# Altium PCB Microcontroller.PcbDoc (continued)
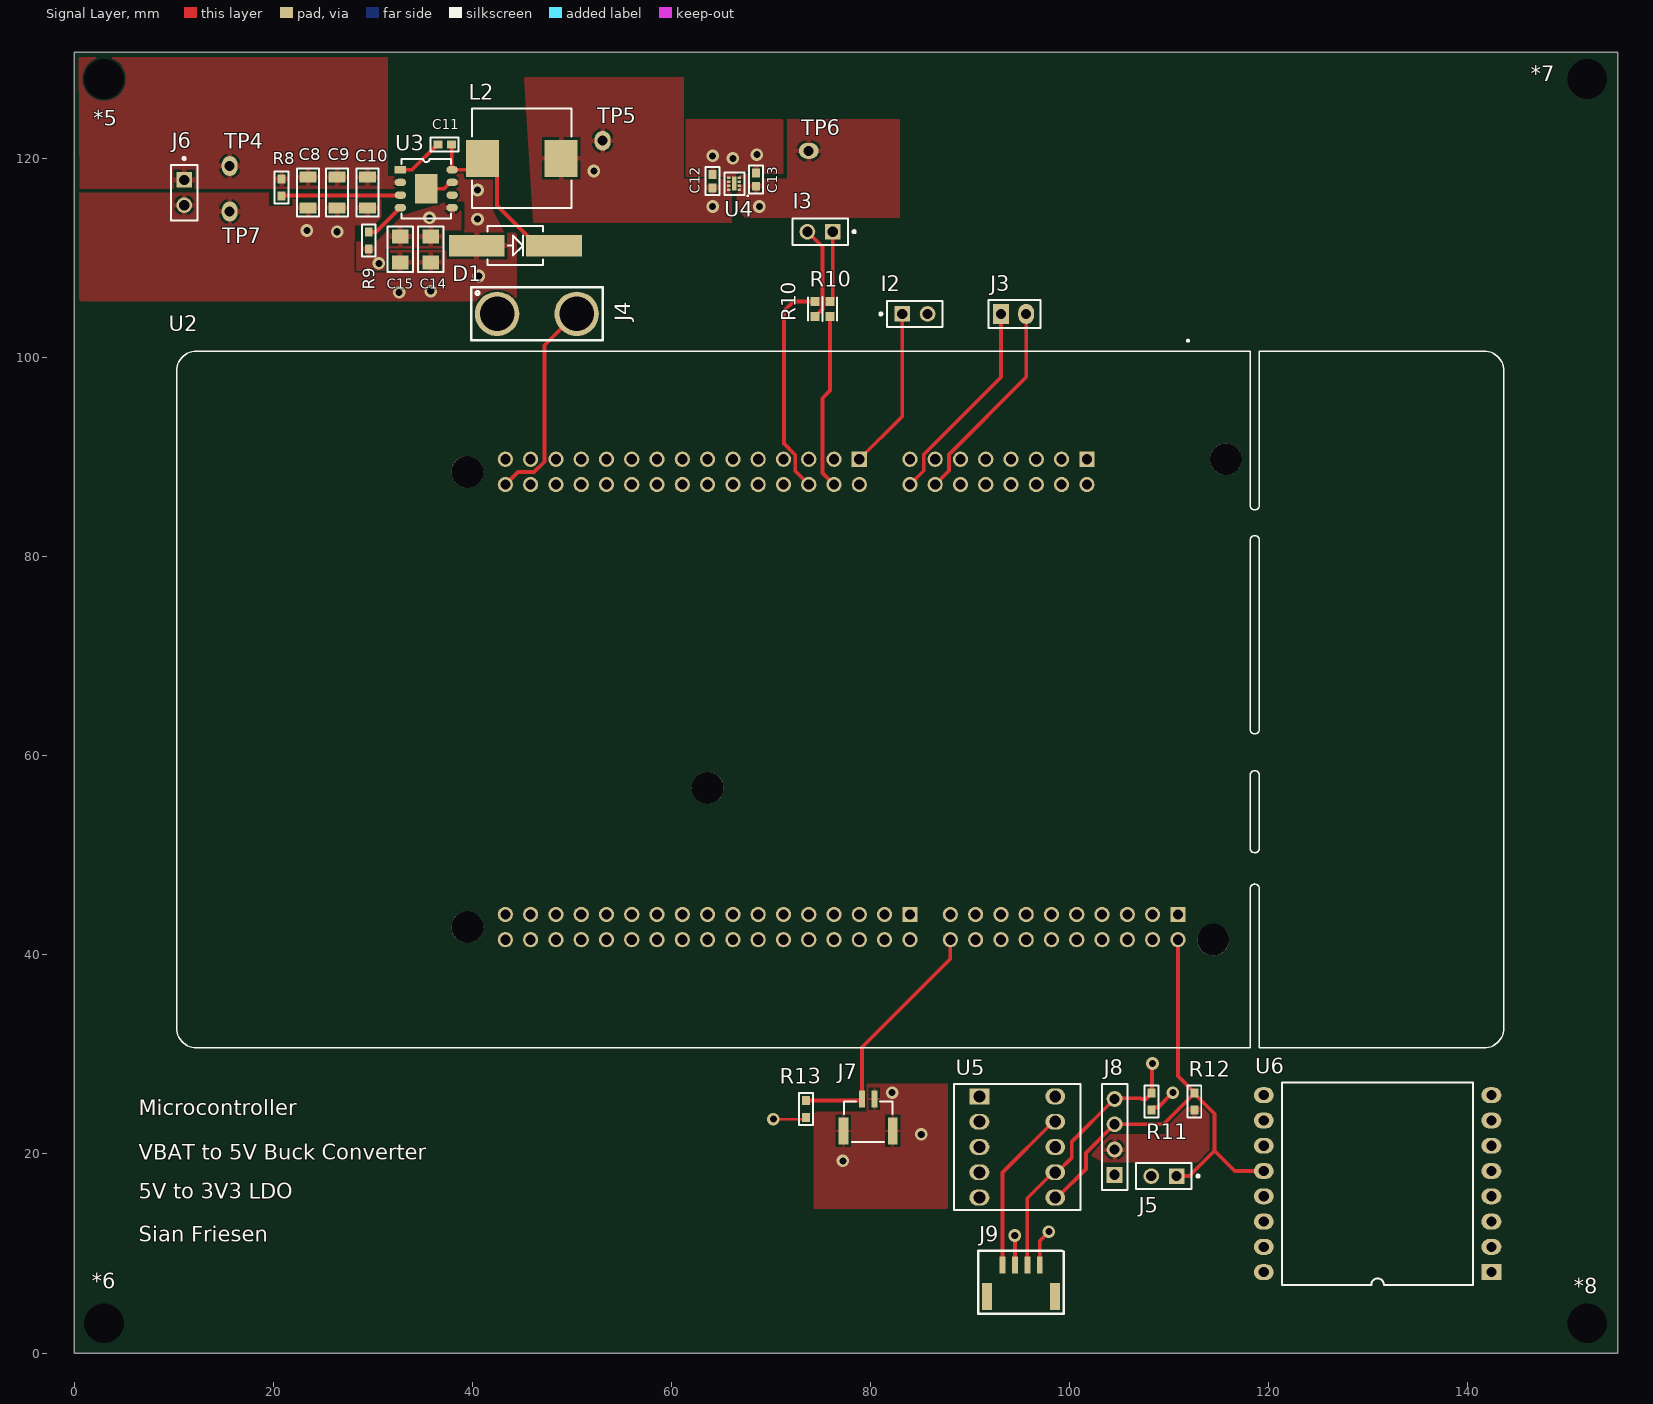
[diagram p0: Signal Layer view]
## Footprints (in the part's own frame and the unit in brackets; to place one, negate y for a bottom-side part, rotate by r counter-clockwise, add the part's x,y. Pads: shape width x height; smd on the part's side, far side on the other; paste and mask are expansions set on the pad)
"8-XFDFN EXPOSED PAD" [mm]
  oval 0.35x0.26 smd: 1(-0.525,0.6)
  rect 0.35x0.26 smd: 2(-0.525,0.2) 3(-0.525,-0.2) 4(-0.525,-0.6) 5(0.525,-0.6) 6(0.525,-0.2) 7(0.525,0.2) 8(0.525,0.6)
  rect 0.44x1.4 smd: 9(0,0)
  silkscreen extent -1.38,-1.1 0.97,1.23
"0603 Capacitor" [mm]
  rect 0.9x0.8 smd: 1(-0.675,0) 2(0.675,0)
  silkscreen extent -1.4,-0.7 1.4,0.7, body extent -0.8,-0.4 0.8,0.4, height 0.8
"0603 Resistor" [mm]
  rect 0.9x0.8 smd: 1(-0.85,0) 2(0.85,0)
  silkscreen extent -1.6,-0.7 1.6,0.7, body extent -0.8,-0.4 0.8,0.4, height 0.45
"0805 Capacitor" [mm]
  rect 1.4x1.65 smd: 1(-1.3,0) 2(1.3,0)
  silkscreen extent -2.29,-1.27 2.29,1.27
"1206 Capacitor" [mm]
  rect 1.1x1.7 smd: 1(-1.55,0) 2(1.55,0)
  silkscreen extent -2.4,-1.1 2.4,1.1, body extent -1.6,-0.8 1.6,0.8, height 1.6
"BAR30 DEPTH SENSOR" [mm] "Measurement Specialties MS5837-30BA"
  rect 0.6x1.7 smd: 1(1.875,4.55) 2(-1.875,4.55) 3(-0.625,4.55) 4(0.625,4.55)
  rect 1x2.7 smd: 45(-3.425,1.35) 46(3.425,1.35)
  silkscreen extent -4.33,-0.38 4.3,5.97
"CLF10060NIT-6R8N-D 10.10mm x 10.00mm" [mm]
  rect 3.3x3.7 smd: 1(-3.95,0) 2(3.95,0)
  silkscreen extent -5,-5 5,5
DO-214AA [mm]
  rect 5.59x2.18 smd: A(3.875,0) C(-3.874,0)
  silkscreen extent -2.8,-1.97 2.8,1.97
EV3419A [mm]
  rect 2x1.6 hole 1.2: 1(-3.81,5.08)
  oval 2x1.6 hole 1.2: 2(-3.81,2.54) 3(-3.81,0) 4(-3.81,-2.54) 5(-3.81,-5.08) 6(3.81,-5.08) 7(3.81,-2.54) 8(3.81,0) 9(3.81,2.54) 10(3.81,5.08)
  silkscreen extent -6.35,-6.35 6.35,6.35
FIT0588 [mm] "HIGH QUALITY GOLD PLATED XT90 MA Bullet Connector"
  round 4.46 hole 3.46: 1(0,4) 2(0,-4)
  silkscreen extent -2.67,-6.6 2.67,6.6
FP-M20-9990246-MFG [mm]
  rect 1.57x1.57 hole 1.02 paste-1000 mask+0: 1(-1.27,0)
  round 1.57 hole 1.02 paste-1000 mask+0: 2(1.27,0)
  silkscreen extent -3.55,-1.32 2.79,1.32, body extent -2.89,-1.42 2.89,1.42, height 0.25
"HDR 4POS 2.54mm" [mm]
  rect 1.6x1.6 hole 1.02: 1(0,3.81)
  round 1.6 hole 1.02: 2(0,1.27) 3(0,-1.27) 4(0,-3.81)
  silkscreen extent -1.27,-5.33 1.27,5.33
"Header 2.54mm" [mm]
  rect 2x1.6 hole 1: 1(0,1.27)
  oval 2x1.6 hole 1: 2(0,-1.27)
  silkscreen extent -1.4,-2.7 1.4,2.5, body extent -1.27,-2.54 1.27,2.54, height 8.54
MIKROE-3449 [mm]
  rect 2x1.6 hole 1.02: 1(0,0)
  oval 2x1.6 hole 1.02: 2(0,-2.54) 3(0,-5.08) 4(0,-7.62) 5(0,-10.16) 6(0,-12.7) 7(0,-15.24) 8(0,-17.78) 9(22.86,-17.78) 10(22.86,-15.24) 11(22.86,-12.7) 12(22.86,-10.16) 13(22.86,-7.62) 14(22.86,-5.08) 15(22.86,-2.54) 16(22.86,0)
  silkscreen extent 1.84,-19.05 21.02,1.27
MODULE_NUCLEO-F446ZE [mm]
  rect 1.53x1.53 hole 1.02: CN7_1(21.59,33.914) CN8_1(-24.13,24.77) CN9_1(-24.13,1.91) CN10_1(21.59,6.99)
  round 1.53 hole 1.02: CN7_2(24.13,33.914) CN7_3(21.59,31.374) CN7_4(24.13,31.374) CN7_5(21.59,28.834) CN7_6(24.13,28.834) CN7_7(21.59,26.294) CN7_8(24.13,26.294) CN7_9(21.59,23.754) CN7_10(24.13,23.754) CN7_11(21.59,21.214) CN7_12(24.13,21.214) CN7_13(21.59,18.674) CN7_14(24.13,18.674) CN7_15(21.59,16.134) CN7_16(24.13,16.134) CN7_17(21.59,13.594) CN7_18(24.13,13.594) CN7_19(21.59,11.054) CN7_20(24.13,11.054) CN8_2(-21.59,24.77) CN8_3(-24.13,22.23) CN8_4(-21.59,22.23) CN8_5(-24.13,19.69) CN8_6(-21.59,19.69) CN8_7(-24.13,17.15) CN8_8(-21.59,17.15) CN8_9(-24.13,14.61) CN8_10(-21.59,14.61) CN8_11(-24.13,12.07) CN8_12(-21.59,12.07) CN8_13(-24.13,9.53) CN8_14(-21.59,9.53) CN8_15(-24.13,6.99) CN8_16(-21.59,6.99) CN9_2(-21.59,1.91) CN9_3(-24.13,-0.63) CN9_4(-21.59,-0.63) CN9_5(-24.13,-3.17) CN9_6(-21.59,-3.17) CN9_7(-24.13,-5.71) CN9_8(-21.59,-5.71) CN9_9(-24.13,-8.25) CN9_10(-21.59,-8.25) CN9_11(-24.13,-10.79) CN9_12(-21.59,-10.79) CN9_13(-24.13,-13.33) CN9_14(-21.59,-13.33) CN9_15(-24.13,-15.87) CN9_16(-21.59,-15.87) CN9_17(-24.13,-18.41) CN9_18(-21.59,-18.41) CN9_19(-24.13,-20.95) CN9_20(-21.59,-20.95) CN9_21(-24.13,-23.49) CN9_22(-21.59,-23.49) CN9_23(-24.13,-26.03) CN9_24(-21.59,-26.03) CN9_25(-24.13,-28.57) CN9_26(-21.59,-28.57) CN9_27(-24.13,-31.11) CN9_28(-21.59,-31.11) CN9_29(-24.13,-33.65) CN9_30(-21.59,-33.65) CN10_2(24.13,6.99) CN10_3(21.59,4.45) CN10_4(24.13,4.45) CN10_5(21.59,1.91) CN10_6(24.13,1.91) CN10_7(21.59,-0.63) CN10_8(24.13,-0.63) CN10_9(21.59,-3.17) CN10_10(24.13,-3.17) CN10_11(21.59,-5.71) CN10_12(24.13,-5.71) CN10_13(21.59,-8.25) CN10_14(24.13,-8.25) CN10_15(21.59,-10.79) CN10_16(24.13,-10.79) CN10_17(21.59,-13.33) CN10_18(24.13,-13.33) CN10_19(21.59,-15.87) CN10_20(24.13,-15.87) CN10_21(21.59,-18.41) CN10_22(24.13,-18.41) CN10_23(21.59,-20.95) CN10_24(24.13,-20.95) CN10_25(21.59,-23.49) CN10_26(24.13,-23.49) CN10_27(21.59,-26.03) CN10_28(24.13,-26.03) CN10_29(21.59,-28.57) CN10_30(24.13,-28.57) CN10_31(21.59,-31.11) CN10_32(24.13,-31.11) CN10_33(21.59,-33.65) CN10_34(24.13,-33.65)
  round 3.2 hole 3.2 unplated: ""(-24.13,38.74) ""(-22.86,-37.46) ""(8.89,-13.33) ""(22.86,-37.46) ""(24.13,37.47)
  silkscreen extent -36.14,-66.67 35,66.67, body extent -35,-67.72 35,67.72, height 18.28
Mounting_Hole#1 [mil]
  round 60 hole 157.48 unplated: 1(-61.89,94.37)
Mounting_Hole#2 [mil]
  round 60 hole 157.48 unplated: 1(-46.89,-86.89)
Mounting_Hole#3 [mil]
  round 60 hole 157.48 unplated: 1(104.25,119.37)
Mounting_Hole#4 [mil]
  round 60 hole 157.48 unplated: 1(89.25,-66.89)
"Resistor Signal Switch-Footprint" [mm]
  rect 0.9x0.9 smd: 1(-0.75,0.75) 2(0.75,0.75) 3(-0.75,-0.75) 4(0.75,-0.75)
  silkscreen extent -1.2,-1.45 1.18,1.45
SM02B-GHS-TB [mm]
  rect 0.6x1.7 smd: 1(-0.625,0) 2(0.625,0)
  rect 1x2.7 smd: M1(-2.475,-3.2) M2(2.475,-3.2)
  silkscreen extent -2.42,-4.3 2.42,-0.25, body extent -2.88,-4.35 2.88,0.5, height 4.25
SOIC-8-EP [mm]
  rect 1.143x0.76 smd: 1(-2.602,1.905)
  oval 1.143x0.76 smd: 2(-2.602,0.635) 3(-2.602,-0.635) 4(-2.602,-1.905) 5(2.602,-1.905) 6(2.602,-0.635) 7(2.602,0.635) 8(2.602,1.905)
  rect 2.26x2.99 smd: 9(0,0)
  silkscreen extent -2.5,-3 2.5,3
TEST_POINT1 [mm]
  oval 2x1.6 hole 1: 1(0,0)

## Part data
C8 C9 C10: library part GRM31CR71E106MA12L, "CAP CER 10UF 25V X7R 1206", Case Code (Imperial)=1206, Case Code (Metric)=3216, Dielectric=X7R, Manufacturer=Murata, Max Operating Temperature=125°C, Min Operating Temperature=-55°C, Package Quantity=1, Supplier Part Number=490-6519-1-ND, Tolerance=20%, Voltage=25V, Case/Package=1206, Category="Ceramic Capacitors", ComponentLink1Description=https://datasheet.ciiva.com/11607/product-11607561.pdf?src-supplier=Avnet, ComponentLink1URL=https://datasheet.ciiva.com/11607/product-11607561.pdf?src-supplier=Avnet, ComponentLink2Description=https://datasheet.ciiva.com/5412/product-5412861.pdf?src-supplier=Mouser, ComponentLink2URL=https://datasheet.ciiva.com/5412/product-5412861.pdf?src-supplier=Mouser, ComponentLink3Description=https://datasheet.ciiva.com/6264/partnumbering-e-01-6264463.pdf?src-supplier=Digi-Key, ComponentLink3URL=https://datasheet.ciiva.com/6264/partnumbering-e-01-6264463.pdf?src-supplier=Digi-Key, Construction=Flat, Depth=1.6mm, Height=1.6mm, Lead Free="Lead Free", Length=3.2mm, Manufacturer Part Number=GRM31CR71E106MA12L, Material=4241ConductorMaterial, Mounting Technology="Surface Mount", Packaging="Tape and Reel", Pricing="1=0.29, 10=0.199, 50=0.1396, 100=0.1196, 500=0.08972, 1000=0.07576 (USD)", Radiation Hardening=No, Reach SVHC Compliant=No, RoHS=Yes, RoHS Compliant=Yes, Series=GRM, Stock=74067, Supplier=Digi-Key, Termination=SMD/SMT, Thickness=0.071inch, Voltage Rating=25V, Voltage Rating (DC)=25V, Width=0.063inch
C11: library part CC0603KRX7R9BB104, "CAP CER 0.1UF 50V X7R 0603", Case Code (Imperial)=0603, Case Code (Metric)=1608, Dielectric=X7R, Dielectric Material=Ceramic, Manufacturer=Yageo, Max Operating Temperature=125°C, Min Operating Temperature=-55°C, Package Quantity=1, Supplier Part Number=311-1344-1-ND, Tolerance=10%, Voltage=50V, Case/Package=0603, Category="Ceramic Capacitors", ComponentLink1Description=https://datasheet.ciiva.com/11786/0900766b80d84f1d-11786061.pdf?src-supplier=Rs, ComponentLink1URL=https://datasheet.ciiva.com/11786/0900766b80d84f1d-11786061.pdf?src-supplier=Rs, ComponentLink2Description=https://datasheet.ciiva.com/8033/70765-8033819.pdf?src-supplier=Element14, ComponentLink2URL=https://datasheet.ciiva.com/8033/70765-8033819.pdf?src-supplier=Element14, ComponentLink3Description=https://datasheet.ciiva.com/8033/70765-8033821.pdf?src-supplier=Element14, ComponentLink3URL=https://datasheet.ciiva.com/8033/70765-8033821.pdf?src-supplier=Element14, ComponentLink4Description=https://datasheet.ciiva.com/7978/1489800-7978166.pdf?src-supplier=Element14, ComponentLink4URL=https://datasheet.ciiva.com/7978/1489800-7978166.pdf?src-supplier=Element14, ComponentLink5Description=https://datasheet.ciiva.com/31394/1489800-31394927.pdf?src-supplier=Farnell, ComponentLink5URL=https://datasheet.ciiva.com/31394/1489800-31394927.pdf?src-supplier=Farnell, ComponentLink6Description=https://datasheet.ciiva.com/22749/1489800-22749214.pdf?src-supplier=Element14, ComponentLink6URL=https://datasheet.ciiva.com/22749/1489800-22749214.pdf?src-supplier=Element14, ComponentLink7Description=https://datasheet.ciiva.com/144/mlccorderingcode-144177.pdf?src-supplier=Digi-Key, ComponentLink7URL=https://datasheet.ciiva.com/144/mlccorderingcode-144177.pdf?src-supplier=Digi-Key, ComponentLink8Description=https://datasheet.ciiva.com/144/mlccorderingcode-144176.pdf?src-supplier=Digi-Key, ComponentLink8URL=https://datasheet.ciiva.com/144/mlccorderingcode-144176.pdf?src-supplier=Digi-Key, ComponentLink9Description=https://datasheet.ciiva.com/144/mlccorderingcode-144178.pdf?src-supplier=Digi-Key, ComponentLink9URL=https://datasheet.ciiva.com/144/mlccorderingcode-144178.pdf?src-supplier=Digi-Key, Depth=0.8mm, Halogen Free="Halogen Free", Height=0.8mm, Lead Free="Lead Free", Length=0.063inch, Manufacturer Part Number=CC0603KRX7R9BB104, Mounting Technology="Surface Mount", Packaging="Tape and Reel", Pins=2, Pricing="1=0.1, 10=0.054, 50=0.0296, 100=0.0243, 500=0.01732, 1000=0.01361 (USD)", Radiation Hardening=No, Reach SVHC Compliant=No, RoHS=Yes, RoHS Compliant=Yes, Series=CC, Stock=4893723, Supplier=Digi-Key, Termination=SMD/SMT, Thickness=0.035inch, Voltage Rating=50V, Width=0.031inch
C12 C13: library part CL10A105KB8NNNC, "CAP CER 1UF 50V X5R 0603", Case Code (Imperial)=0603, Case Code (Metric)=1608, Dielectric=X5R, Manufacturer=Samsung, Max Operating Temperature=85°C, Min Operating Temperature=-55°C, Supplier Part Number=1276-1860-1-ND, Tolerance=10%, Voltage Rating=50V, Case/Package=0603, Category="Ceramic Capacitors", ComponentLink1Description=https://datasheet.ciiva.com/26877/getdatasheetpartid-753736-26877879.pdf?src-supplier=Verical, ComponentLink1URL=https://datasheet.ciiva.com/26877/getdatasheetpartid-753736-26877879.pdf?src-supplier=Verical, Depth=0.8mm, Length=1.6mm, Manufacturer Part Number=CL10A105KB8NNNC, Mounting Technology="Surface Mount", Packaging="Tape and Reel", Pricing="1=0.14, 10=0.098, 50=0.0558, 100=0.0462, 500=0.03238, 1000=0.0268 (USD)", Radiation Hardening=No, RoHS=Yes, RoHS Compliant=Yes, Series=CL, Stock=3695273, Supplier=Digi-Key
C14 C15: library part GRM21BZ71A226ME15L, "CAP CER 22UF 10V X7R 0805", Manufacturer=Murata, Supplier Part Number=490-GRM21BZ71A226ME15LCT-ND, Category="Ceramic Capacitors", ComponentLink1Description=https://datasheet.octopart.com/GRM21BZ71A226ME15L-Murata-datasheet-165579666.pdf?src-supplier=TME, ComponentLink1URL=https://datasheet.octopart.com/GRM21BZ71A226ME15L-Murata-datasheet-165579666.pdf?src-supplier=TME, Manufacturer Part Number=GRM21BZ71A226ME15L, Pricing="1=0.35, 10=0.241, 50=0.1688, 100=0.1447, 500=0.10852, 1000=0.09164 (USD)", RoHS=Yes, RoHS Compliant=Yes, Stock=55376, Supplier=Digi-Key
D1: "DIODE SCHOTTKY 30V 4A DO214AA", Average Rectified Current=4A, Case/Package=DO-214AA, Forward Voltage=450mV, Manufacturer="Vishay Semiconductors", Max Forward Surge Current (Ifsm)=100A, Max Operating Temperature=150°C, Max Repetitive Reverse Voltage (Vrrm)=30V, Max Reverse Current=600uA, Min Operating Temperature=-65°C, Package Quantity=1, Supplier Part Number=SSB43L-E3/52TGICT-ND, Category="Rectifier Diodes", ComponentLink1Description=https://datasheet.ciiva.com/14634/0900766b80dd0508-14634162.pdf?src-supplier=Allied+Electronics, ComponentLink1URL=https://datasheet.ciiva.com/14634/0900766b80dd0508-14634162.pdf?src-supplier=Allied+Electronics, ComponentLink2Description=https://datasheet.ciiva.com/4245/ssb43l-4245635.pdf?src-supplier=Arrow+Electronics, ComponentLink2URL=https://datasheet.ciiva.com/4245/ssb43l-4245635.pdf?src-supplier=Arrow+Electronics, ComponentLink3Description=https://datasheet.ciiva.com/18434/70217334-18434422.pdf?src-supplier=Allied+Electronics, ComponentLink3URL=https://datasheet.ciiva.com/18434/70217334-18434422.pdf?src-supplier=Allied+Electronics, Current Rating=4A, Forward Current=4A, Height=0.095inch, Lead Free="Lead Free", Length=4.7mm, Manufacturer Part Number=SSB43L-E3/52T, Max Reverse Leakage Current=600uA, Max Reverse Voltage (DC)=30V, Max Surge Current=100A, Mounting Technology="Surface Mount", Output Current=4A, Packaging="Tape and Reel", Peak Non-Repetitive Surge Current=100A, Pins=2, Polarity=Standard, Pricing="1=0.56, 10=0.482, 100=0.3351 (USD)", Radiation Hardening=No, Reach SVHC Compliant=Unknown, RoHS=Yes, RoHS Compliant=Yes, Stock=42896, Supplier=Digi-Key, Voltage Rating (DC)=30V, Width=3.8mm
I2 I3 J5 J6: library part CMP-15831-000009-1, "CONN HEADER VERT 2POS 2.54MM", Current Rating=3A, Manufacturer=Harwin, Temperature="-40°C to +105°C", Temperature Range High=+105°C, Temperature Range Low=-40°C, Automotive=No, Category=Conn, ComponentLink2Description=Datasheet, ComponentLink2URL=https://cdn.harwin.com/pdfs/M20-999.pdf, Conn Gender=Male, Conn Orientation=Vertical, Contact Material=Tin,Nickel, Device Class L1=Connectors, Device Class L2="Headers and Wire Housings", Device Class L3=unset, Digikey Description="CONN HEADER VERT 2POS 2.54MM", Height=8.99mm, Lead Free=Yes, Manufacturer Part Number=M20-9990246, Mouser Description="2.54mm (0.1\") Pitch SIL Vertical PC Tail Pin Header, 6.1mm mating pin height, tin, 2 contacts", Number of Contacts=2, Number of Rows=1, Octopart=https://octopart.com/m20-9990246-harwin-2590635, Package=M20-9990246, Pitch=2.54mm, RoHS=TRUE
J3: "CONN HEADER VERT 2POS 2.54MM", Color=Black, Manufacturer=Sullins, Package Quantity=1, Supplier Part Number=S1012EC-02-ND, Category=Connectors, ComponentLink1Description=https://datasheet.ciiva.com/740/zrzczzzszzn-rc-st-11635-b-740843.pdf?src-supplier=Digi-Key, ComponentLink1URL=https://datasheet.ciiva.com/740/zrzczzzszzn-rc-st-11635-b-740843.pdf?src-supplier=Digi-Key, Contact Mating Length=0.23inch, Contact Plating=Tin, Contact Type="Male Pin", Manufacturer Part Number=PREC002SAAN-RC, Mounting Technology="Through Hole", Number of Positions=2, Number of Rows=1, Packaging=Bulk, Pitch=0.1inch, Pricing="1=0.06, 10=0.056, 25=0.0416, 50=0.0356, 100=0.0345, 250=0.02972, 500=0.02852 (USD)", RoHS=Yes, RoHS Compliant=Yes, Series=-, Stock=23153, Supplier=Digi-Key, Termination=Solder
J7: "CONN HDR PIN", Manufacturer=JST, Supplier Part Number=455-1564-1-ND, Manufacturer Part Number=SM02B-GHS-TB, Pricing="1=0.46, 10=0.39, 100=0.303, 500=0.2597, 1000=0.21642 (USD)", RoHS=No, Stock=9689, Supplier=Digikey
J8: "CONN HDR 4POS 0.1 TIN PCB", Flammability Rating="UL94 V-0", Insulation Color=Black, Manufacturer=Sullins, Max Operating Temperature=105°C, Min Operating Temperature=-40°C, Supplier Part Number=S7002-ND, Voltage Rating=250V, Category=Connectors, ComponentLink1Description=https://media.digikey.com/pdf/Data%20Sheets/Sullins%20PDFs/Female_Headers.100_DS.pdf?src-supplier=Digikey, ComponentLink1URL=https://media.digikey.com/pdf/Data%20Sheets/Sullins%20PDFs/Female_Headers.100_DS.pdf?src-supplier=Digikey, ComponentLink2Description=http://www.sullinscorp.com/catalogs/78_Page80-81_HEADER_.100_2.54mm_FEMALE.pdf?src-supplier=Future+Electronics, ComponentLink2URL=http://www.sullinscorp.com/catalogs/78_Page80-81_HEADER_.100_2.54mm_FEMALE.pdf?src-supplier=Future+Electronics, ComponentLink3Description=https://datasheet.octopart.com/PPTC041LFBN-RC-Sullins-datasheet-41308905.pdf?src-supplier=Future+Electronics, ComponentLink3URL=https://datasheet.octopart.com/PPTC041LFBN-RC-Sullins-datasheet-41308905.pdf?src-supplier=Future+Electronics, Connector Type=Header, Contact Finish - Mating=TIN, Contact Material=Bronze, Contact Shape=Square, Contact Type="Female Socket", Fastening Type=Pull, Height=8.5mm, Housing Material=Plastic, Insulation Material=Polyester, Lead Free="Lead Free", Length=10.7mm, Manufacturer Part Number=PPTC041LFBN-RC, Mounting Technology="Through Hole", Number of Positions=4, Number of Rows=1, Packaging=Tray, Pitch=2.54mm, Pricing="1=0.46, 10=0.399, 100=0.3286, 500=0.28574, 1000=0.23574, 5000=0.20716, 10000=0.2041 (USD)", RoHS=Yes, RoHS Compliant=Yes, Series=-, Stock=28323, Supplier=Digikey, Termination=Solder, Width=2.5mm
L2: library part CLF10060NIT-6R8N-D, "FIXED IND 6.8UH 4.25A 16.9 MOHM", Case/Package=Nonstandard, DC Resistance (DCR)=16.9mR, Inductance Tolerance=30%, Manufacturer=TDK, Max Operating Temperature=150°C, Min Operating Temperature=-55°C, Ratings=AEC-Q200, RMS Current (Irms)=6.6A, Saturation Current=4.25A, Supplier Part Number=445-174715-1-ND, Test Frequency=100kHz, Category="Fixed Inductors", ComponentLink1Description=https://product.tdk.com/info/en/catalog/datasheets/inductor_automotive_power_clf10060ni-d_en.pdf?src-supplier=Digi-Key, ComponentLink1URL=https://product.tdk.com/info/en/catalog/datasheets/inductor_automotive_power_clf10060ni-d_en.pdf?src-supplier=Digi-Key, ComponentLink2Description=https://product.tdk.com/info/en/catalog/datasheets/inductor_automotive_power_clf10060ni-d_en.pdf?ref_disty=digikey&src-supplier=Digi-Key, ComponentLink2URL=https://product.tdk.com/info/en/catalog/datasheets/inductor_automotive_power_clf10060ni-d_en.pdf?ref_disty=digikey&src-supplier=Digi-Key, ComponentLink3Description=http://www.farnell.com/datasheets/2159117.pdf?src-supplier=Element14, ComponentLink3URL=http://www.farnell.com/datasheets/2159117.pdf?src-supplier=Element14, Core Material=Ferrite, Manufacturer Part Number=CLF10060NIT-6R8N-D, Mounting Technology="Surface Mount", Packaging="Tape and Reel", Pricing="1=1.43, 10=1.323, 25=1.1024, 50=1.0364, 100=0.9261, 250=0.7938 (USD)", Reach SVHC Compliant=No, RoHS=Yes, RoHS Compliant=Yes, Series=CLF-NI-D, Shielding=Shielded, Stock=2437, Supplier=Digi-Key, Tolerance=30%
R8 R9 R11 R12 R13: library part RC0603FR-1310KL, "RES 10K OHM 1% 1/10W 0603", Case Code (Imperial)=0603, Case Code (Metric)=1608, Manufacturer=Yageo, Max Operating Temperature=155°C, Min Operating Temperature=-55°C, Power Rating=100mW, Resistance Tolerance=1%, Resistor Type="Thick Film", Supplier Part Number=13-RC0603FR-1310KLDKR-ND, Temperature Coefficient=100ppm/°C, Voltage Rating=50V, Case/Package=0603, Category="Chip SMD Resistors", ComponentLink1Description=https://datasheet.ciiva.com/7983/443971-7983673.pdf?src-supplier=Element14, ComponentLink1URL=https://datasheet.ciiva.com/7983/443971-7983673.pdf?src-supplier=Element14, ComponentLink2Description=https://datasheet.ciiva.com/16850/pyu-rc0603-51-rohs-l-4-16850349.pdf?src-supplier=Future+Electronics, ComponentLink2URL=https://datasheet.ciiva.com/16850/pyu-rc0603-51-rohs-l-4-16850349.pdf?src-supplier=Future+Electronics, Lead Free="Lead Free", Manufacturer Part Number=RC0603FR-1310KL, Packaging="Tape and Reel", Pins=2, Pricing="1=0.1, 10=0.018, 50=0.0106, 100=0.0088, 500=0.00592, 1000=0.00505, 5000=0.00363, 10000=0.00318 (USD)", Reach SVHC Compliant=No, RoHS=Yes, RoHS Compliant=Yes, Series=RC, Stock=124542, Supplier=Digi-Key, Termination=SMD/SMT, Tolerance=1%, Voltage Rating (DC)=50V
R10: library part CMP-00078-2, "Footprint for allowing switching of signal lines"
TP4 TP5 TP6 TP7: library part Test_point1
U2: library part CMP-357-000000-6, "STM32F446ZE, mbed-Enabled Development Nucleo-144 STM32F4 ARMÂ® CortexÂ®-M4 MCU 32-Bit Embedded Evaluation Board", Package=None, Availability="In Stock", Check_prices=https://www.snapeda.com/parts/NUCLEO-F446ZE/STMicroelectronics/view-part/?ref=eda, Component Type=Standard, Design Item ID=NUCLEO-F446ZE, MF=STMicroelectronics, MP=NUCLEO-F446ZE, Pin Count=244, price=None, Purchase-URL=https://pricing.snapeda.com/search/part/NUCLEO-F446ZE/?ref=eda, SnapEDA_Link=https://www.snapeda.com/parts/NUCLEO-F446ZE/STMicroelectronics/view-part/?ref=snap, Source=NUCLEO-F446ZE.SchLib
U3: "IC REG BUCK 5V 3A 8SOIC", Case/Package=SOIC, Manufacturer="Analog Devices", Max Operating Temperature=125°C, Max Output current=3A, Max Output Voltage=16V, Max Supply Voltage=20V, Min Input Voltage=3V, Min Operating Temperature=-40°C, Min Output Voltage=800mV, Nominal Output Voltage=5V, Operating Supply Current=950uA, Supplier Part Number=505-ADP2303ARDZ-5.0-R7CT-ND, Switching Frequency=700kHz, Category="Voltage Regulators - Switching", ComponentLink1Description=https://datasheet.ciiva.com/25626/0900766b810b59f9-25626508.pdf?src-supplier=Rs, ComponentLink1URL=https://datasheet.ciiva.com/25626/0900766b810b59f9-25626508.pdf?src-supplier=Rs, ComponentLink2Description=https://datasheet.ciiva.com/7994/1624274-7994911.pdf?src-supplier=Element14, ComponentLink2URL=https://datasheet.ciiva.com/7994/1624274-7994911.pdf?src-supplier=Element14, ComponentLink3Description=https://datasheet.ciiva.com/28436/1624274-28436554.pdf?src-supplier=Element14, ComponentLink3URL=https://datasheet.ciiva.com/28436/1624274-28436554.pdf?src-supplier=Element14, ComponentLink4Description=https://datasheet.ciiva.com/2024/adp2302-2303-2024382.pdf?src-supplier=Digi-Key, ComponentLink4URL=https://datasheet.ciiva.com/2024/adp2302-2303-2024382.pdf?src-supplier=Digi-Key, ComponentLink5Description=https://datasheet.ciiva.com/2024/adp2302-2303-2024383.pdf?src-supplier=Digi-Key, ComponentLink5URL=https://datasheet.ciiva.com/2024/adp2302-2303-2024383.pdf?src-supplier=Digi-Key, ComponentLink6Description=https://datasheet.ciiva.com/2024/adp2302-2303-2024384.pdf?src-supplier=Digi-Key, ComponentLink6URL=https://datasheet.ciiva.com/2024/adp2302-2303-2024384.pdf?src-supplier=Digi-Key, ComponentLink7Description=https://datasheet.ciiva.com/48696/001251161-da-01-en-ic-reg-buc-adp2303ardz-5-0-r7-soic-8-adi-48696838.pdf?src-supplier=Conrad, ComponentLink7URL=https://datasheet.ciiva.com/48696/001251161-da-01-en-ic-reg-buc-adp2303ardz-5-0-r7-soic-8-adi-48696838.pdf?src-supplier=Conrad, Contact Plating=Tin,Matte, Fall Time=280ns, Height=1.75mm, Lead Free="Contains Lead", Length=4.9mm, Manufacturer Part Number=ADP2303ARDZ-5.0-R7, Max Duty Cycle=50%, Mounting Technology="Surface Mount", Number of Outputs=1, Operating Supply Voltage=20V, Output Configuration=Positive, Output Current=3A, Output Type=Fixed, Output Voltage=5V, Packaging="Tape and Reel", Pins=8, Pricing="1=4.1, 10=3.678, 25=3.4768, 100=3.0133, 250=2.8588, 500=2.5652 (USD)", Radiation Hardening=No, Reach SVHC Compliant=No, Rise Time=170ns, RoHS=Yes, RoHS Compliant=Yes, Series=-, Stock=1579, Supplier=Digi-Key, Synchronous Rectifier=No, Weight=0.019048oz, Width=4mm
U4: "ICREGLDO3.3V1A8XDFN"
U5: "MC3419 DAUGHTER CARD", Manufacturer=Memsic, Supplier Part Number=3502-EV3419A-ND, Category=Uncategorized, Manufacturer Part Number=EV3419A, Pricing="1=14.51 (USD)", RoHS=No, Stock=42, Supplier=Digi-Key
U6: "Gyro 3 Click I3G4250 Three-Axis Digital Gyroscope Sensor IC Add-On Board", Manufacturer=mikroElektronika, Supplier Part Number=1471-2189-ND, Manufacturer Part Number=MIKROE-3449, Pricing="1=25 (USD)", RoHS=No, Stock=1, Supplier=Digi-Key

## Via types
v1: diameter 1.27, hole 0.711, Signal Layer to 5V Layer, tented both sides, 23 vias

## Nets (pads, with @x,y where several pads share a name; then routed paths per layer and width w, separated by ;. In a path a pad name is that pad's centre, name@x,y a point inside that pad or via, vN(x,y) a via of type N, cw(c..) or ccw(c..) an arc to the next point about the centre after c; other vN are vias at no path point)
+3V3: C13.1 J8.2 J9.2 R11.2 R12.2 R13.2 TP6.1 U4.1 U4.2 U4.4 U5.9 U6.7 | length 23
  Signal Layer w0.254: v1(70.231,23.495) 73.367,23.495 R13.2
  Signal Layer w0.381: J9.2 93.248,18.137 98.352,23.241 U5.9 ; R11.2@108.185,24.403 R11.2 108.204,24.473 108.414,24.682 108.883,24.682 v1(110.363,26.162)
  other v1: 68.834,115.189
+5V: C12.1 C14.1 C15.1 L2.2 R9.1 TP5.1 U2.CN8_15 U3.5 U4.6 U4.7 U4.8 U6.10
  other v1: 30.607,109.474 35.687,114.046 64.135,115.189 52.197,118.745
+12V: 
GND: C8.1 C9.1 C10.1 C12.2 C13.2 C14.2 C15.2 D1.A J6.2 J7.2 J7.M1 J7.M2 J8.1 J9.1 TP7.1 U2.CN7_8 U2.CN8_11 U2.CN8_13 U2.CN9_12 U2.CN9_23 U2.CN10_3 U2.CN10_5 U2.CN10_17 U2.CN10_22 U2.CN10_27 U3.7 U3.9 U4.5 U4.9 U5.8 U6.8 U6.9 | length 6.6
  Signal Layer w0.381: U3.9 37.143,116.967 37.778,117.602 U3.7 ; J9.1@97.013,8.883 J9.1 96.998,11.273 v1(97.917,12.192)
  other v1: 77.216,19.304 85.09,21.971 82.169,26.162 32.639,106.553 35.814,106.68 40.64,108.204 26.416,112.649 23.368,112.776 40.513,113.919 40.513,116.84 66.167,120.015 64.135,120.269 68.58,120.396
NetC1_2: 
NetC2_2: 
NetC3_1: 
NetC3_2: 
NetC11_1: C11.1 D1.C L2.1 U3.8 | length 18.8
  Signal Layer w0.381: C11.1 37.928,121.37 37.928,118.914 U3.8 39.865,118.872 L2.1 42.468,118.555 42.468,115.277 46.492,111.252 D1.C
NetC11_2: C11.2 U3.1 | length 4.9
  Signal Layer w0.381: U3.1@32.726,118.912 U3.1 33.946,118.872 36.486,121.412 C11.2
NetC16_2: 
NetGH1_1: 
NetGL1_1: 
NetI1_1: 
NetI1_2: 
NetI2_1: I2.1 U2.CN9_1 | length 16.4
  Signal Layer w0.381: U2.CN9_1 83.185,94.102 I2.1
NetI3_1: I3.1 R10.4 | length 7.1
  Signal Layer w0.381: R10.4 76.2,105.918 I3.1
NetI3_2: I3.2 R10.1 | length 9.8
  Signal Layer w0.381: I3.2 75.163,111.146 75.163,104.881 R10.1 R10.1@74.192,104.394
NetI4_2: 
NetJ3_1: J3.1 U2.CN8_16 | length 20.9
  Signal Layer w0.381: U2.CN8_16 85.337,88.634 85.337,90.268 93.091,98.022 J3.1
NetJ3_2: J3.2 U2.CN8_14 | length 20.9
  Signal Layer w0.381: U2.CN8_14 87.877,88.634 87.877,90.268 95.631,98.022 J3.2
NetJ4_2: J4.2 U2.CN9_30 | length 20.1
  Signal Layer w0.381: U2.CN9_30 44.567,88.504 46.201,88.504 47.237,89.539 47.237,101.252 J4.2@49.744,103.759
NetJ5_1: J5.1 J8.3 J9.3 R12.1 U2.CN7_2 U5.6 U6.12 | length 61.2
  Signal Layer w0.381: v1(94.488,11.811) 94.498,11.801 J9.3 ; U5.6 98.752,15.621 101.636,18.506 101.636,20.102 J8.3 109.436,22.987 R12.1@112.522,26.073 ; J5.1 112.014,17.78 114.554,20.32 ; U2.CN7_2 110.876,27.819 112.522,26.173 R12.1 R12.1@112.522,26.073 ; U6.12 116.586,18.288 114.554,20.32 ; R12.1@112.522,26.073 114.554,24.041 114.554,20.32
  3V3 Layer w0.381: v1(94.488,11.811) 94.515,11.811 98.325,15.621 U5.6
NetJ5_2: J5.2 J8.4 J9.4 R11.1 U2.CN7_4 U5.7 U6.11 | length 65
  Signal Layer w0.381: J9.4 95.748,15.557 98.352,18.161 U5.7 98.752,18.161 100.203,19.612 100.203,21.209 104.584,25.59 107.127,25.59 107.186,25.531 107.662,25.531 108.204,26.073 R11.1 108.267,26.186 108.267,29.019 v1(108.331,29.083)
  GND Layer w0.381: U2.CN7_4@108.333,41.526 U2.CN7_4
  3V3 Layer w0.381: J5.2 108.331,17.907 108.331,26.667 ; U2.CN7_4 108.333,41.526 108.333,29.085 v1(108.331,29.083) 108.331,26.667 ; U6.11 114.17,20.828 108.331,26.667
NetJ7_1: J7.1 R13.1 U2.CN7_20 | length 25.4
  Signal Layer w0.381: R13.1 79.022,25.361 79.131,25.47 J7.1 79.131,30.724 88.016,39.609 U2.CN7_20
NetL1_1: 
NetR1_2: 
NetR2_1: 
NetR3_2: 
NetR4_2: 
NetR6_2: 
NetR7_2: 
NetR8_2: R8.2 U3.3 | length 12
  Signal Layer w0.381: R8.2 20.872,116.288 32.722,116.288 U3.3
NetR9_2: R9.2 U3.4 | length 4.2
  Signal Layer w0.381: R9.2 30.314,112.61 32.439,114.735 32.439,114.824 32.677,115.062 U3.4
NetR10_2: R10.2 U2.CN9_6 | length 22
  Signal Layer w0.381: U2.CN9_6 72.441,88.6 72.441,90.234 71.31,91.365 71.31,104.714 72.248,105.652 R10.2
NetR10_3: R10.3 U2.CN9_4 | length 17.7
  Signal Layer w0.381: R10.3 75.934,96.683 75.177,95.925 75.177,88.404 U2.CN9_4
VBAT: C8.2 C9.2 C10.2 J6.1 R8.1 TP4.1 U3.2
VBAT_IN: 
pads on no net: *5.1 *6.1 *7.1 *8.1 I2.2 J4.1 J9.45 J9.46 U2. U2.CN7_1 U2.CN7_3 U2.CN7_5 U2.CN7_6 U2.CN7_7 U2.CN7_9 U2.CN7_10 U2.CN7_11 U2.CN7_12 U2.CN7_13 U2.CN7_14 U2.CN7_15 U2.CN7_16 U2.CN7_17 U2.CN7_18 U2.CN7_19 U2.CN8_1 U2.CN8_2 U2.CN8_3 U2.CN8_4 U2.CN8_5 U2.CN8_6 U2.CN8_7 U2.CN8_8 U2.CN8_9 U2.CN8_10 U2.CN8_12 U2.CN9_2 U2.CN9_3 U2.CN9_5 U2.CN9_7 U2.CN9_8 U2.CN9_9 U2.CN9_10 U2.CN9_11 U2.CN9_13 U2.CN9_14 U2.CN9_15 U2.CN9_16 U2.CN9_17 U2.CN9_18 U2.CN9_19 U2.CN9_20 U2.CN9_21 U2.CN9_22 U2.CN9_24 U2.CN9_25 U2.CN9_26 U2.CN9_27 U2.CN9_28 U2.CN9_29 U2.CN10_1 U2.CN10_2 U2.CN10_4 U2.CN10_6 U2.CN10_7 U2.CN10_8 U2.CN10_9 U2.CN10_10 U2.CN10_11 U2.CN10_12 U2.CN10_13 U2.CN10_14 U2.CN10_15 U2.CN10_16 U2.CN10_18 U2.CN10_19 U2.CN10_20 U2.CN10_21 U2.CN10_23 U2.CN10_24 U2.CN10_25 U2.CN10_26 U2.CN10_28 U2.CN10_29 U2.CN10_30 U2.CN10_31 U2.CN10_32 U2.CN10_33 U2.CN10_34 U3.6 U4.3 U5.1 U5.2 U5.3 U5.4 U5.5 U5.10 U6.1 U6.2 U6.3 U6.4 U6.5 U6.6 U6.13 U6.14 U6.15 U6.16

## Polygon pours and split planes (outlines as drawn)
+3V3 on Signal Layer "+3V3_L01_P015" (solid, pour order 15): 103.505,21.463 104.013,21.971 109.601,21.971 109.601,22.606 112.141,25.146 113.03,25.146 114.046,24.13 114.046,19.177 103.378,19.177 102.108,19.812
GND on Signal Layer "GND_L01_P014" (solid, pour order 14): 79.629,27.051 87.757,27.051 87.757,14.605 87.63,14.478 74.295,14.478 74.295,24.003 74.549,24.257 79.629,24.257
GND on Signal Layer "GND_L01_P013" (solid, pour order 13): 33.401,118.618 39.243,118.618 39.243,117.983 39.37,117.856 42.037,117.856 42.037,114.808 44.45,110.236 37.592,110.236 37.592,112.776 39.243,112.776 39.243,115.57 39.116,115.697 36.576,115.697 36.449,115.57 33.401,115.57
GND on Signal Layer "GND_L01_P008" (solid, pour order 8): 61.341,118.11 65.734,118.11 66.115,117.729 66.548,117.729 66.548,118.745 67.437,118.745 68.326,117.856 68.961,117.856 68.961,118.491 71.247,118.491 71.247,124.079 71.12,123.952 61.341,123.952
GND on Signal Layer "GND_L01_P007" (solid, pour order 7): 16.812,108.585 31.75,108.585 31.75,110.871 37.211,110.871 37.338,110.744 37.338,112.522 44.323,112.522 44.45,112.395 44.45,105.664 0.635,105.664 0.508,105.791 0.508,106.807
GND on Signal Layer "GND_L01_P006" (solid, pour order 6): 0.508,116.586 19.558,116.586 19.558,115.316 19.685,115.189 21.971,115.189 21.971,115.951 30.861,115.951 30.861,114.046 30.099,113.284 28.194,113.284 28.194,106.807 0.508,106.807
+5V on Signal Layer "+5V_L01_P005" (solid, pour order 5): 37.084,115.57 38.862,115.57 38.862,112.776 37.084,112.776 37.084,110.998 31.242,110.998 31.242,108.712 28.321,108.712 28.321,111.633 30.353,111.633 33.02,114.3
+5V on Signal Layer "+5V_L01_P004" (solid, pour order 4): 45.212,128.143 61.214,128.143 61.214,113.538 46.101,113.538
+5V on Signal Layer "+5V_L01_P003" (solid, pour order 3): 61.214,117.983 66.04,117.983 66.04,113.538 61.214,113.538
+3V3 on Signal Layer "+3V3_L01_P002" (solid, pour order 2): 71.628,123.952 71.628,117.983 67.691,117.983 67.691,118.491 66.548,118.491 66.548,114.935 67.437,114.046 82.931,114.046 82.931,123.952
VBAT on Signal Layer "VBAT_L01_P000" (solid, pour order 0): 0.441,130.175 31.496,130.175 31.496,118.237 33.528,118.237 33.528,116.967 0.568,116.967
GND on GND Layer "GND_L02_P009" (solid, pour order 9): 0.635,130.048 153.797,130.048 154.178,129.667 154.178,1.397 1.016,1.397 0.889,1.524
+3V3 on 3V3 Layer "+3V3_L03_P010" (solid, pour order 10): 0.508,130.302 0.635,130.175 154.432,130.175 154.432,1.016 154.559,0.889 0.889,0.889
+5V on 5V Layer "+5V_L04_P011" (solid, pour order 11): 0.762,130.048 154.305,130.048 154.686,129.667 154.686,0.508 1.397,0.508 0.635,1.27

## Silkscreen, mask and mechanical layers (free items; w line width, h text height)
Top Overlay:
  text "Microcontroller" at 6.477,23.876 h1.52
  text "VBAT to 5V Buck Converter" at 6.477,19.431 h1.52
  text "5V to 3V3 LDO" at 6.477,15.494 h1.52
  text "Sian Friesen" at 6.477,11.176 h1.52